# Altium PCB UAI.PcbDoc (part 1 of 2)
Units mm, origin at the board's own origin, x right, y up, seen from the top; angles counter-clockwise.
Board outline 85 x 82.2 mm, 2 copper layers (Top Layer, Bottom Layer); 136 components, 86 nets, 400 pads, 389 vias.
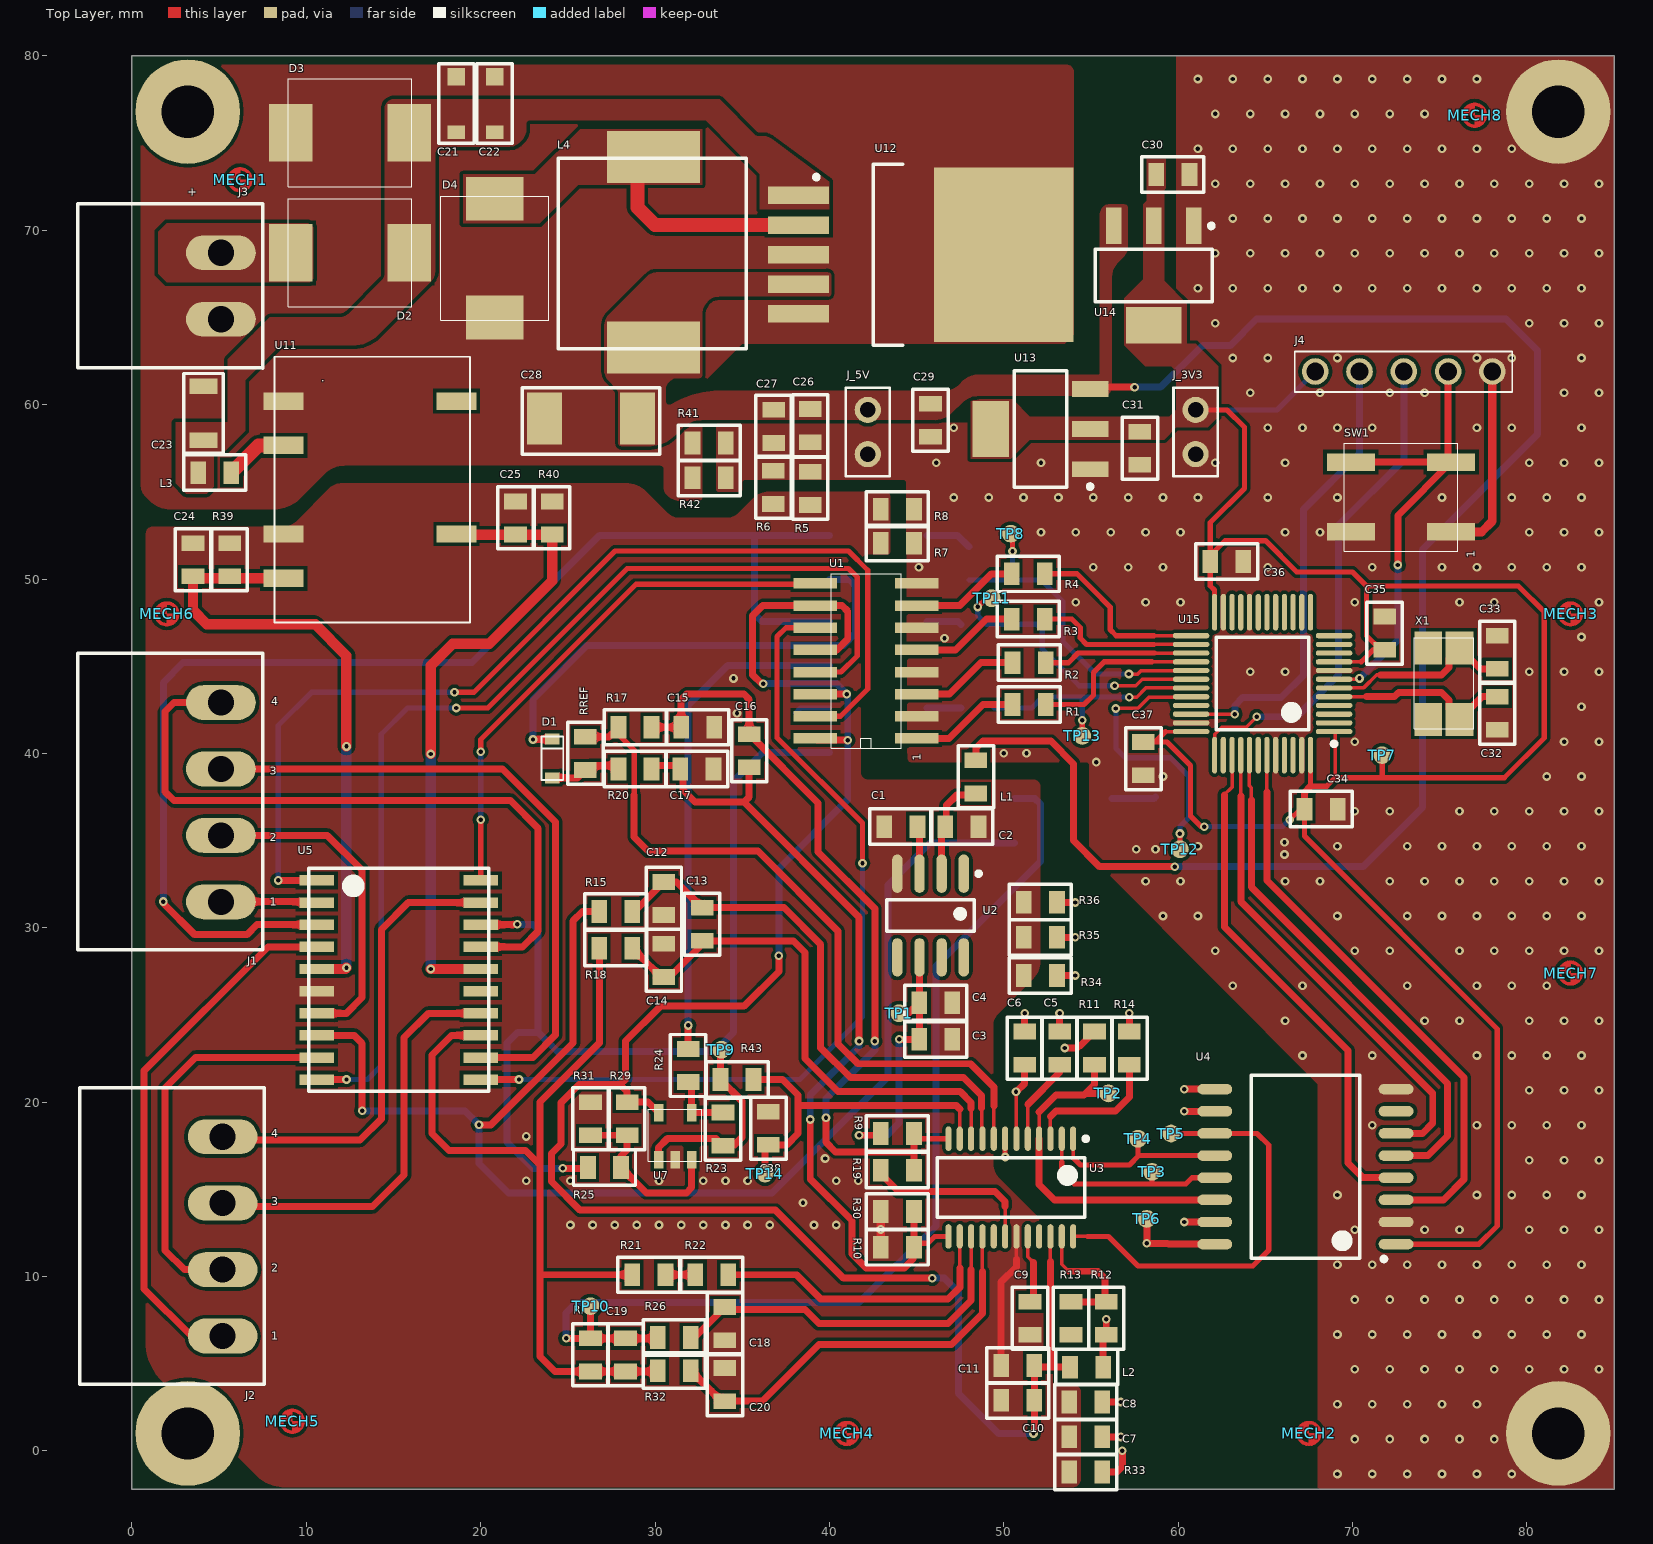
[diagram p0: Top Layer view]
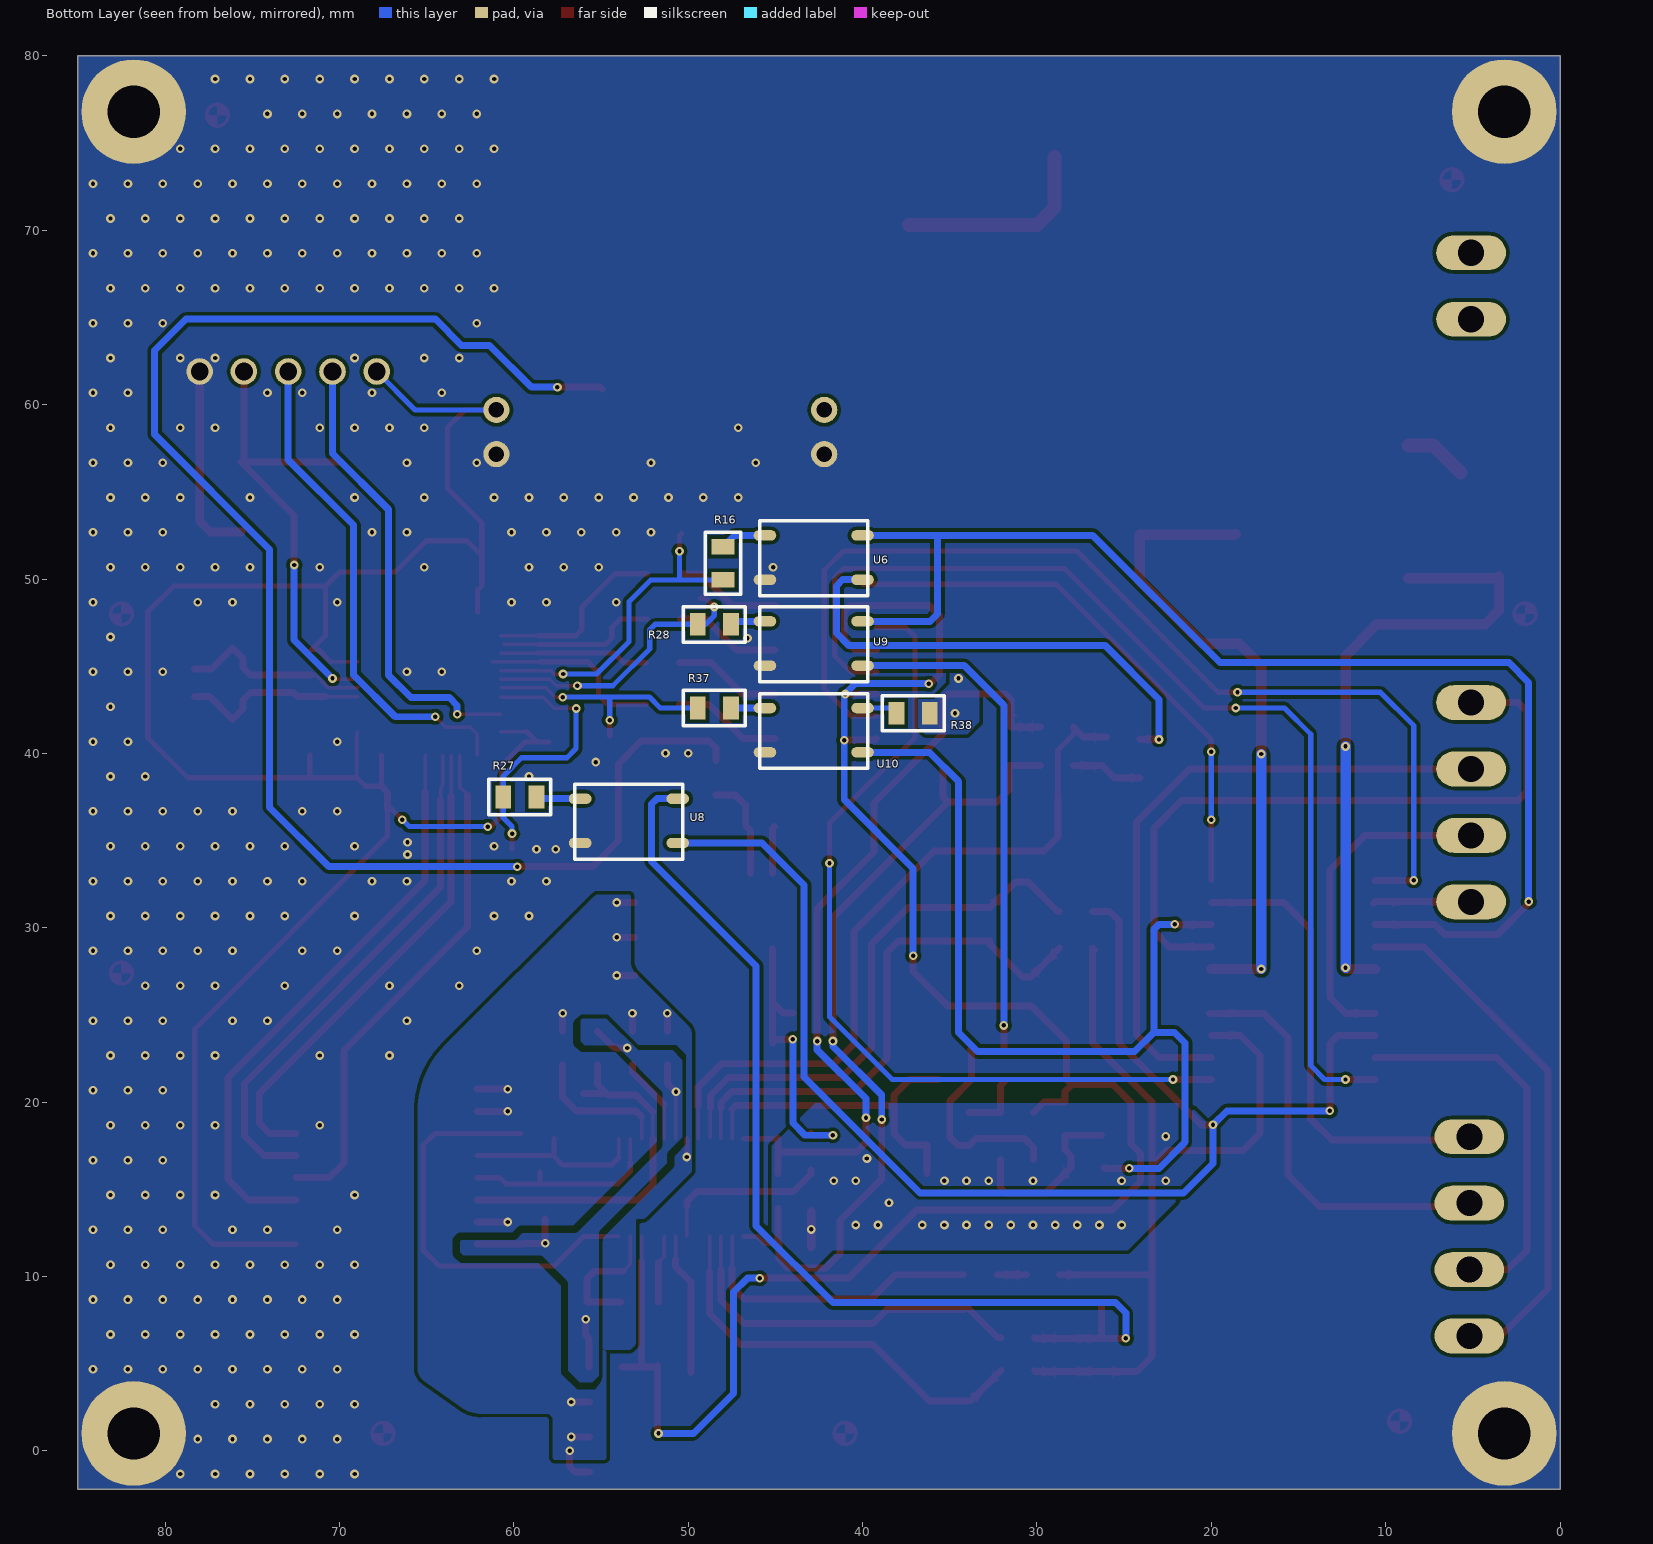
[diagram p1: Bottom Layer view, seen from below]
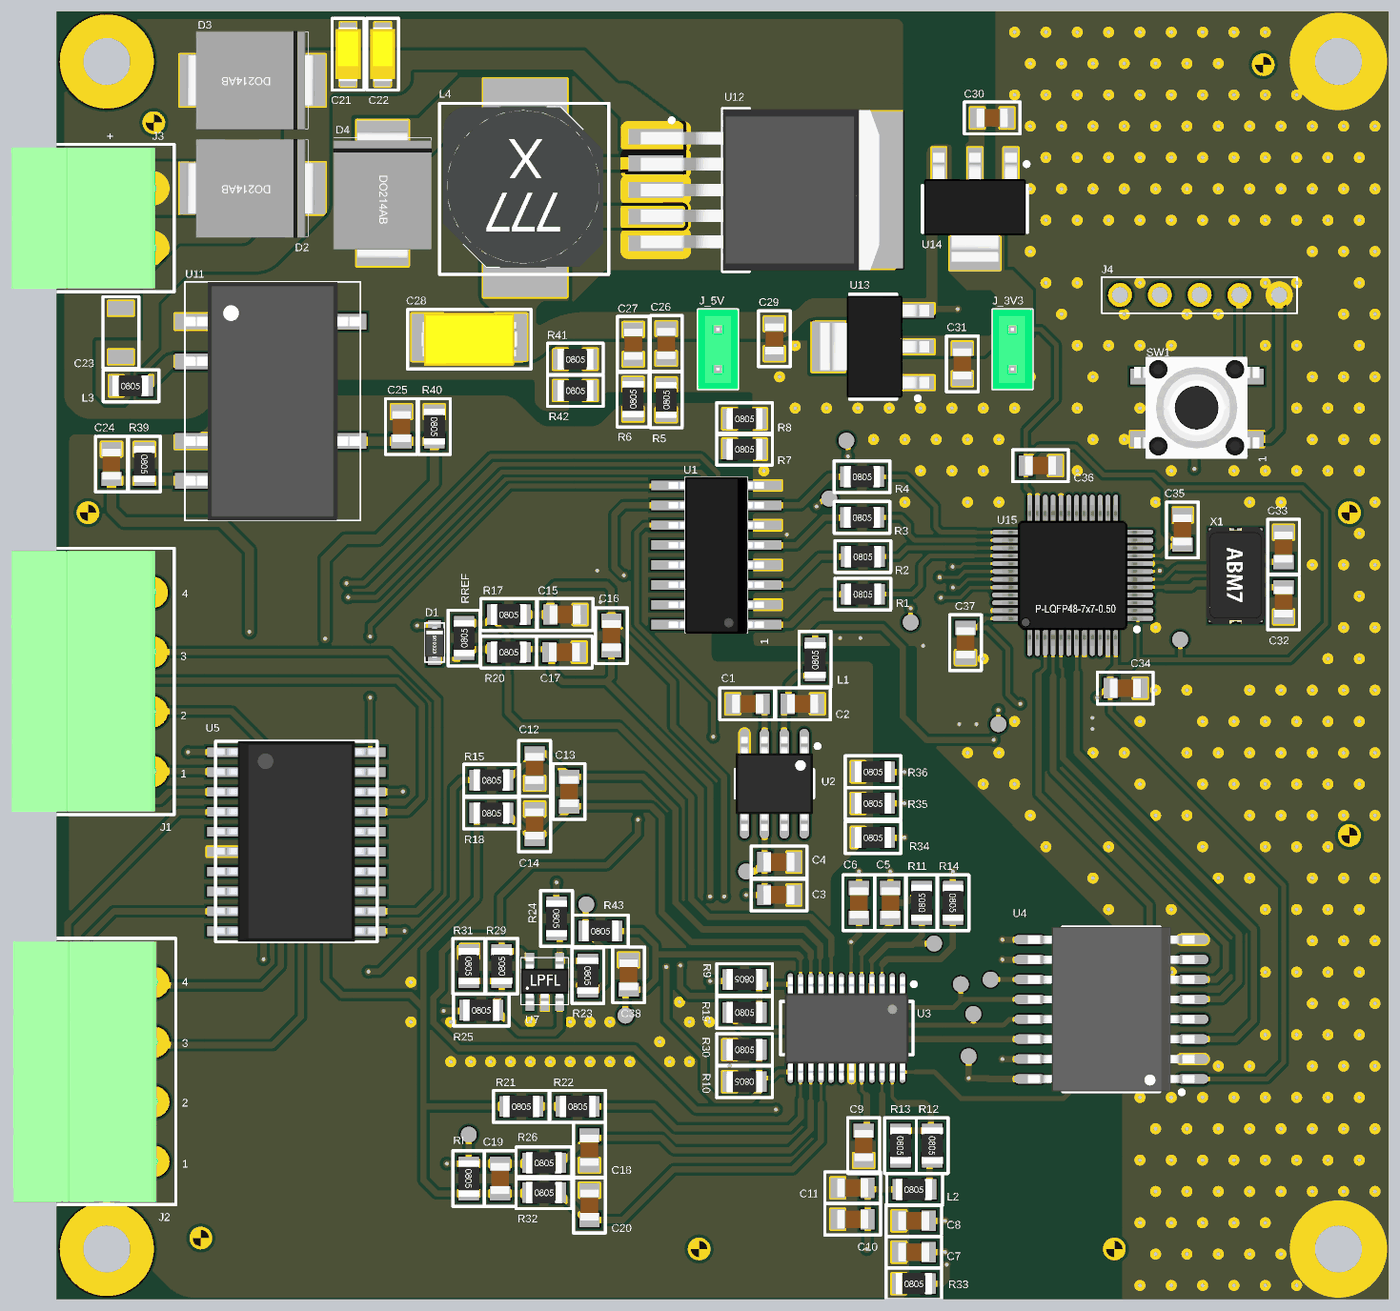
[diagram p3: 3D render of the assembled board from above, using the file's embedded part models]
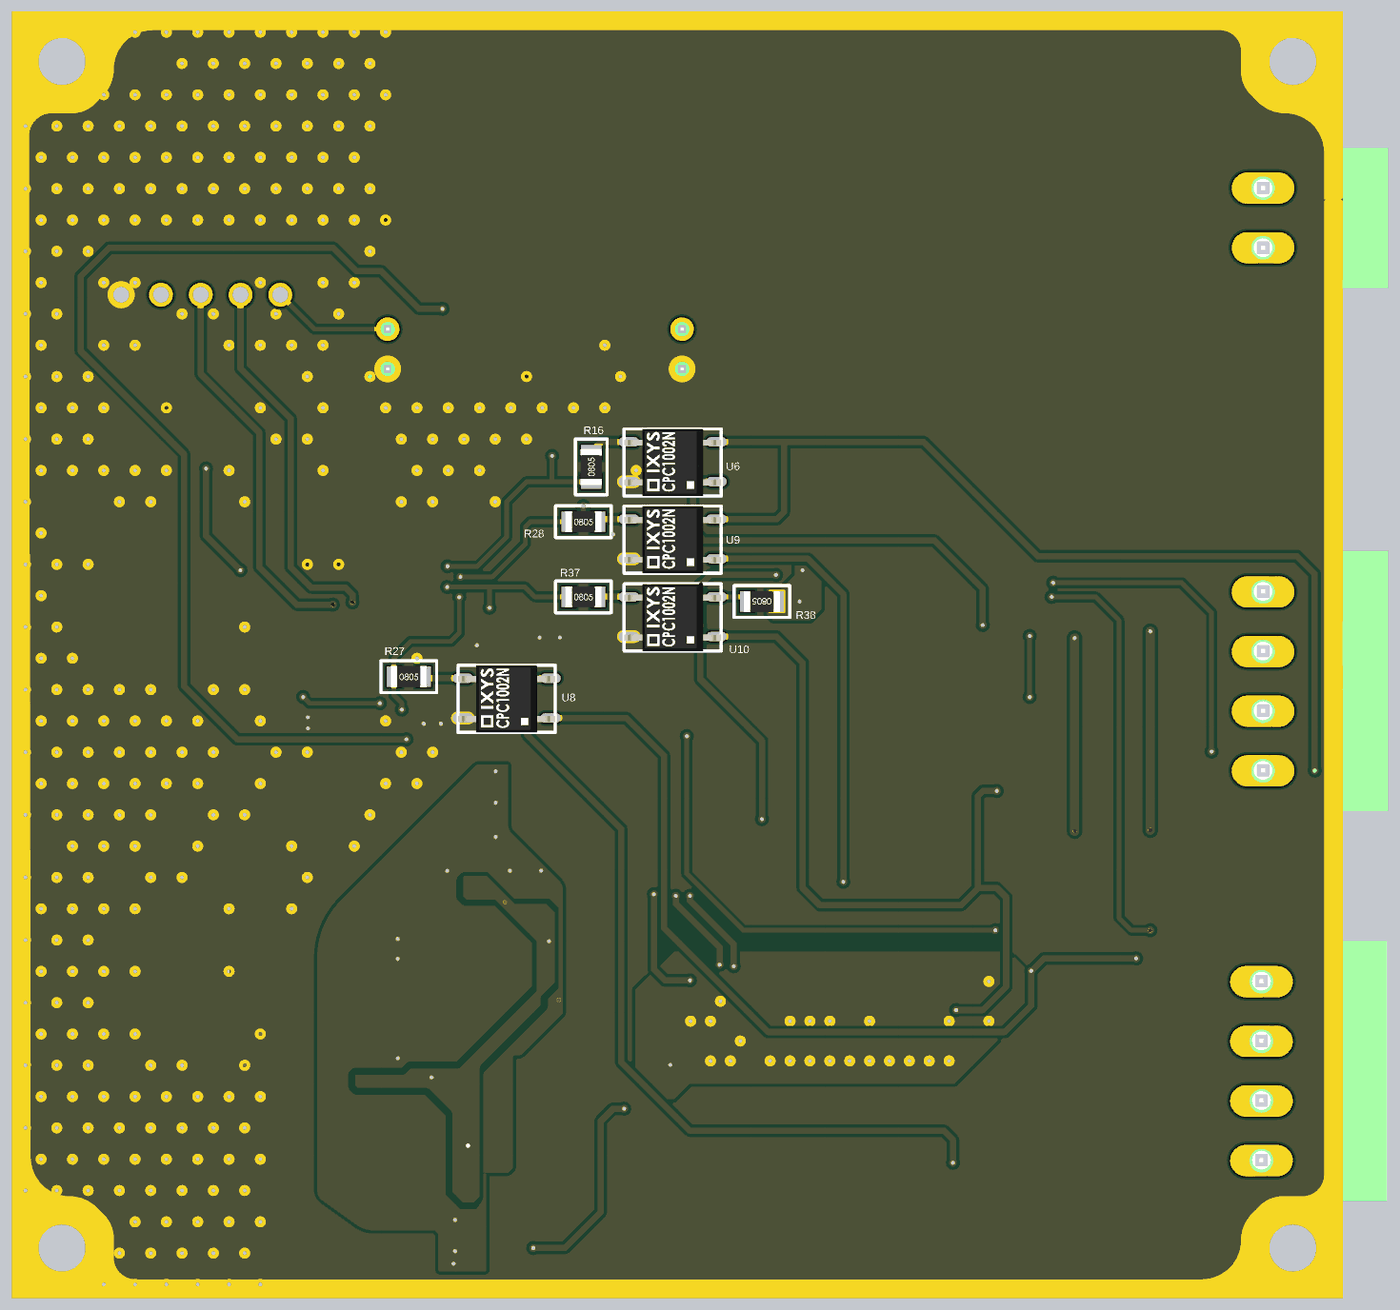
[diagram p4: 3D render of the assembled board from below, using the file's embedded part models]

## Layer stack, top to bottom
Top Solder: solder mask 0.0102, Solder Resist, Dk 3.5
Top Layer: signal copper 0.0356
Dielectric 1: dielectric 0.32, FR-4, Dk 4.8
Bottom Layer: signal copper 0.0356
Bottom Solder: solder mask 0.0102, Solder Resist, Dk 3.5

## Board outline
0,-2.2 85,-2.2 85,80 0,80

## Design rules (kind name [scope] priority, off if disabled: settings)
Clearance Clearance_2 [InNamedPolygon('NETD2_2_L01_P000')] p1: gap=0.254 ignorepadtopadclearanceinfootprint=FALSE except(0: Arc-Hole Track-Hole SMDPad-Hole THPad-Hole Via-Hole Fill-Hole Poly-Hole Region-Hole Text-Hole)
Clearance Clearance_1 [InNamedPolygon('24V_L01_P002')] p2: gap=0.254 ignorepadtopadclearanceinfootprint=FALSE except(0: Arc-Hole Track-Hole SMDPad-Hole THPad-Hole Via-Hole Fill-Hole Poly-Hole Region-Hole Text-Hole)
Clearance Clearance_3 [InNamedPolygon('GND_L02_P078')] p3 off: gap=0.254 ignorepadtopadclearanceinfootprint=FALSE
Clearance [All] p4: gap=0.2 ignorepadtopadclearanceinfootprint=FALSE
ComponentOrientations [All] p1: allowedrotations=1
HoleSize [All] p1: absolutevalues=TRUE maxlimit=3 minlimit=0.025 maxpercent=80.000 minpercent=20.000
HoleToHoleClearance [All] p1: gap=0.1 allowstackedmicrovias=TRUE
MinimumSolderMaskSliver [All] p1: minsoldermaskwidth=0.001
ParallelSegment [All] p1: limit=20 gap=0.2
PolygonConnect [All] p1: connectstyle=Direct reliefconductorwidth=0.4 reliefentries=4 polygonreliefangle="90 Angle" airgapwidth=0.4
RoutingVias [All] p1: holewidth=0.3 width=0.6 viastyle="Through Hole" minholewidth=0.2 minwidth=0.4 maxholewidth=0.3 maxwidth=0.6
SilkToSilkClearance [All] p1: silktosilkclearance=0.1
SilkToSolderMaskClearance [IsPad] p1: minsilkscreentomaskgap=0 clearancetoexposedcopper=TRUE
SolderMaskExpansion [All] p1: expansion=0.102 istentingtop=FALSE
Width [All] p1: maxlimit=2 minlimit=0.2 preferedwidth=0.2
25 further rules are at their usual default settings.

## Classes and differential pairs
net class SWD: SWCLK SWDIO
net class SPI_1: SPI1_MISO SPI1_MOSI SPI1_SCK
net class ANALOG: 1A 1B 2.5VREF 2A 2B 3A 3B 4A 4B +3V3 +3V3_ISO +3V3AVDD +5V +5VAVDD +15V -15V AGND AIN0/IEXC AIN1 AIN2 AIN3 AIN4 AIN5 AIN6 AN0/3 AN1/5 AN2/6 AN3 CS_ISO DIN GND GND_ISO IEXC IN1_ISO IN2_ISO IN3_ISO IN4_ISO NetC1_2 NetC5_1 NetC9_2 NetC19_2 NetD1_1 NetR1_1 NetR1_2 NetR2_1 NetR2_2 NetR3_1 NetR3_2 NetR4_1 NetR4_2 NetR12_1 NetR14_2 NetR16_1 NetR16_2 NetR19_1 NetR21_2 NetR23_1 NetR23_2 NetR24_1 NetR25_2 NetR27_1 NetR27_2 NetR28_1 NetR28_2 NetR37_1 NetR37_2 NetR38_2 NetU4_3 NetU5_15 RDY REF+ REF- SCLK SNYC SPI1_MISO SPI1_MOSI SPI1_SCK
net class ADC: 2.5VREF +3V3_ISO +3V3AVDD +5VAVDD AGND AIN0/IEXC AIN1 AIN2 AIN3 AIN4 AIN5 AIN6 CS_ISO DIN GND_ISO IEXC NetC1_2 NetC5_1 NetC9_2 NetR12_1 NetR14_2 NetR19_1 NetU2_1 NetU2_4 NetU2_5 NetU2_7 NetU2_8 NetU3_17 NetU3_21 RDY REF+ REF- SCLK SNYC
component class "[03] - Power": C21 C22 C23 C24 C25 C26 C27 C28 C29 C30 C31 D2 D3 D4 J3 J_3V3 J_5V L3 L4 R39 R40 R41 R42 U11 U12 U13 U14
component class "[02] - STM32F1": C32 C33 C34 C35 C36 C37 J4 MECH1 MECH2 MECH3 MECH4 MECH5 MECH6 MECH7 MECH8 SW1 U15 X1
component class "[01] - AFE": C1 C2 C3 C4 C5 C6 C7 C8 C9 C10 C11 C12 C13 C14 C15 C16 C17 C18 C19 C20 C38 D1 J1 J2 L1 L2 R1 R2 R3 R4 R5 R6 R7 R8 R9 R10 R11 R12 R13 R14 R15 R16 R17 R18 R19 R20 R21 R22 R23 R24 R25 R26 R27 R28 R29 R30 R31 R32 R33 R34 R35 R36 R37 R38 R43 RI RREF TP1 TP2 TP3 TP4 TP5 TP6 TP7 TP8 TP9 TP10 TP11 TP12 TP13 TP14 U1 U2 U3 U4 U5 U6 U7 U8 U9 U10
net class CPU: +3V3 GND NetC32_1 NetC33_1 NetR1_2 NetR2_2 NetR3_2 NetR4_2 NetR16_1 NetR27_1 NetR28_1 NetR37_1 NetU4_3 NetU15_2 NetU15_3 NetU15_4 NetU15_10 NetU15_11 NetU15_12 NetU15_13 NetU15_14 NetU15_15 NetU15_16 NetU15_17 NetU15_18 NetU15_19 NetU15_21 NetU15_22 NetU15_33 NetU15_38 NetU15_42 NetU15_45 NetU15_46 NRST SPI1_MISO SPI1_MOSI SPI1_SCK SWCLK SWDIO
net class POWER: +3V3 +5V +15V +24V -15V AGND GND NetD2_2 NetD4_1 NetL3_2 NetU11_10 PGND
net class AFE: 1A 1B 2A 2B 3A 3B 4A 4B +3V3AVDD +15V -15V AGND AIN1 AIN2 AIN3 AIN4 AIN5 AIN6 AN0/3 AN1/5 AN2/6 AN3 GND IEXC IN1_ISO IN2_ISO IN3_ISO IN4_ISO NetC19_2 NetD1_1 NetR16_1 NetR16_2 NetR21_2 NetR23_1 NetR23_2 NetR24_1 NetR25_2 NetR27_1 NetR27_2 NetR28_1 NetR28_2 NetR37_1 NetR37_2 NetR38_2 NetU5_15

## Components (designator, comment, footprint, x,y, rotation, side; value= is the part's Value field where it differs from the comment)
C1 "10nF" C0805 44.1,35.8 r0 top
C2 "10µF" C0805 47.6,35.8 r180 top
C3 "10µF" C0805 46.1,23.6 r180 top
C4 "100nF" C0805 46.1,25.7 r0 top
C5 "100nF" C0805 53.2,23.1 r90 top
C6 "100nF" C0805 51.2,23.1 r270 top
C7 "1µF" C0805 54.7,0.8 r180 top
C8 "100nF" C0805 54.7,2.8 r180 top
C9 "100nF" C0805 51.5,7.6 r90 top
C10 "100nF" C0805 50.8,2.9 r0 top
C11 "1µF" C0805 50.8,4.9 r0 top
C12 "C0805C102K5RAC7411" C0805 30.5,31.678 r90 top
C13 "10nF" C0805 32.7,30.2 r90 top
C14 "C0805C102K5RAC7411" C0805 30.5,28.128 r90 top
C15 "C0805C102K5RAC7411" C0805 32.45,41.5 r180 top
C16 "10nF" C0805 35.4,40.15 r90 top
C17 "C0805C102K5RAC7411" C0805 32.4,39.1 r0 top
C18 "C0805C102K5RAC7411" C0805 34,7.3 r90 top
C19 "10nF" C0805 28.3,5.5 r90 top
C20 "C0805C102K5RAC7411" C0805 34,3.8 r90 top
C21 "CAP TANT 1UF 35V 10% 1206" Case_A 18.6,77.4 r90 top
C22 "CAP TANT 1UF 35V 10% 1206" Case_A 20.8,77.4 r90 top
C23 "4.7UF 50V X7R" C1206 4.1,59.5 r90 top
C24 "1UF 50V X7R" C0805 3.5,51.1 r270 top
C25 "1UF 50V X7R" C0805 22,53.5 r270 top
C26 "1µF" C0805 38.9,58.8 r90 top
C27 "100nF" C0805 36.8,58.75 r90 top
C28 "100µF" Case_C 26.333,59.2 r180 top
C29 "100nF" C0805 45.8,59.1 r90 top
C30 "100nF" C0805 59.7,73.2 r180 top
C31 "100nF" C0805 57.8,57.5 r90 top
C32 "18PF" C0805 78.3,42.3 r270 top
C33 "18PF" C0805 78.3,45.8 r90 top
C34 "4.7µF" C0805 68.2,36.8 r180 top
C35 "10nF" C0805 71.84,46.9 r270 top
C36 "10nF" C0805 62.79,51 r180 top
C37 "10nF" C0805 58,39.7 r90 top
C38 "100nF" C0805 36.5,18.5 r270 top
D1 "D-1N4148WS" SOD-323 24.1,38.6 r90 top
D2 "B540C-13-F" B520C-13-F 12.5,68.7 r0 top
D3 "B540C-13-F" B520C-13-F 12.5,75.6 r0 top
D4 "B540C-13-F" B520C-13-F 20.8,68.4 r90 top
J1 "CON-4 PIN" CONECTOR_PCB_4_90 5.1,37.2 r90 top
J2 "CON-4 PIN" CONECTOR_PCB_4_90 5.2,12.3 r90 top
J3 "Conn 2 Pin" "Connector 2 Ways Pitch 3,81" 5.1,68.71 r90 top
J4 "Header" "Header 1x5 2.54mm" 78.02,61.9 r180 top
J_3V3 "PH1-02-TA-HT" HDR1X2V 61,57.16 r90 top
J_5V "PH1-02-TA-HT" HDR1X2V 42.2,57.16 r90 top
L1 "FERRITE CHIP 220 OHM 0805" 0805 48.4,37.7 r90 top
L2 "FERRITE CHIP 220 OHM 0805" 0805 53.8,4.8 r0 top
L3 "6.8UH 550MA" 0805 3.8,56.1 r0 top
L4 "L-IND 33UH 2.5A" Bobin_SMD 29.9,68.8 r270 top
MECH1 "MECH-Fidicuals" T-Fidicuals 6.2,72.9 r90 top
MECH2 "MECH-Fidicuals" T-Fidicuals 67.5,1 r90 top
MECH3 "MECH-Fidicuals" T-Fidicuals 82.5,48 r90 top
MECH4 "MECH-Fidicuals" T-Fidicuals 41,1 r90 top
MECH5 "MECH-Fidicuals" T-Fidicuals 9.2,1.7 r90 top
MECH6 "MECH-Fidicuals" T-Fidicuals 2,48 r90 top
MECH7 "MECH-Fidicuals" T-Fidicuals 82.5,27.4 r90 top
MECH8 "MECH-Fidicuals" T-Fidicuals 77,76.6 r90 top
R1 "270R" R0805 51.45,42.8 r0 top
R2 "270R" R0805 51.45,45.2 r0 top
R3 "270R" R0805 51.4,47.7 r0 top
R4 "270R" R0805 51.4,50.3 r0 top
R5 "0R" R0805 38.9,55.2 r90 top
R6 "0R" R0805 36.782,55.25 r90 top
R7 "0R" R0805 43.9,52.054 r0 top
R8 "0R" R0805 43.9,54 r0 top
R9 "0R" R0805 43.9,18.2 r180 top
R10 "0R" R0805 43.9,11.675 r180 top
R11 "R-10K,%1,0805" R0805 55.2,23.1 r90 top
R12 "R-10K,%1,0805" R0805 55.875,7.6 r270 top
R13 "0R" R0805 53.85,7.6 r270 top
R14 "0R" R0805 57.2,23.1 r270 top
R15 "CPF-A-0805B3K0E" R0805 27.75,30.928 r0 top
R16 "#NAME?" R0805 48,50.9 r90 bottom
R17 "CPF-A-0805B3K0E" R0805 28.85,41.5 r0 top
R18 "CPF-A-0805B3K0E" R0805 27.75,28.828 r0 top
R19 "0R" R0805 43.9,16.1 r0 top
R20 "CPF-A-0805B3K0E" R0805 28.85,39.1 r0 top
R21 "0R" R0805 29.65,10.1 r0 top
R22 "CPF-A-0805B3K0E" R0805 33.25,10.1 r0 top
R23 "15K OHM" R0805 33.9,18.45 r270 top
R24 "RES SMD 68K OHM" R0805 31.9,22.1 r270 top
R25 "RES SMD 68K OHM" R0805 27.1,16.25 r0 top
R26 "CPF-A-0805B3K0E" R0805 31.1,6.5 r0 top
R27 "#NAME?" R0805 59.65,37.5 r180 bottom
R28 "#NAME?" R0805 48.5,47.4 r180 bottom
R29 "15K OHM" R0805 28.4,19.05 r90 top
R30 "0R" R0805 43.9,13.725 r0 top
R31 "15K OHM" R0805 26.3,19.05 r270 top
R32 "CPF-A-0805B3K0E" R0805 31.1,4.6 r0 top
R33 "0R" R0805 54.7,-1.216 r0 top
R34 "0R" R0805 52.1,27.265 r0 top